# KiCad board GateMateA1-EVB_Rev_B.kicad_pcb (continued)
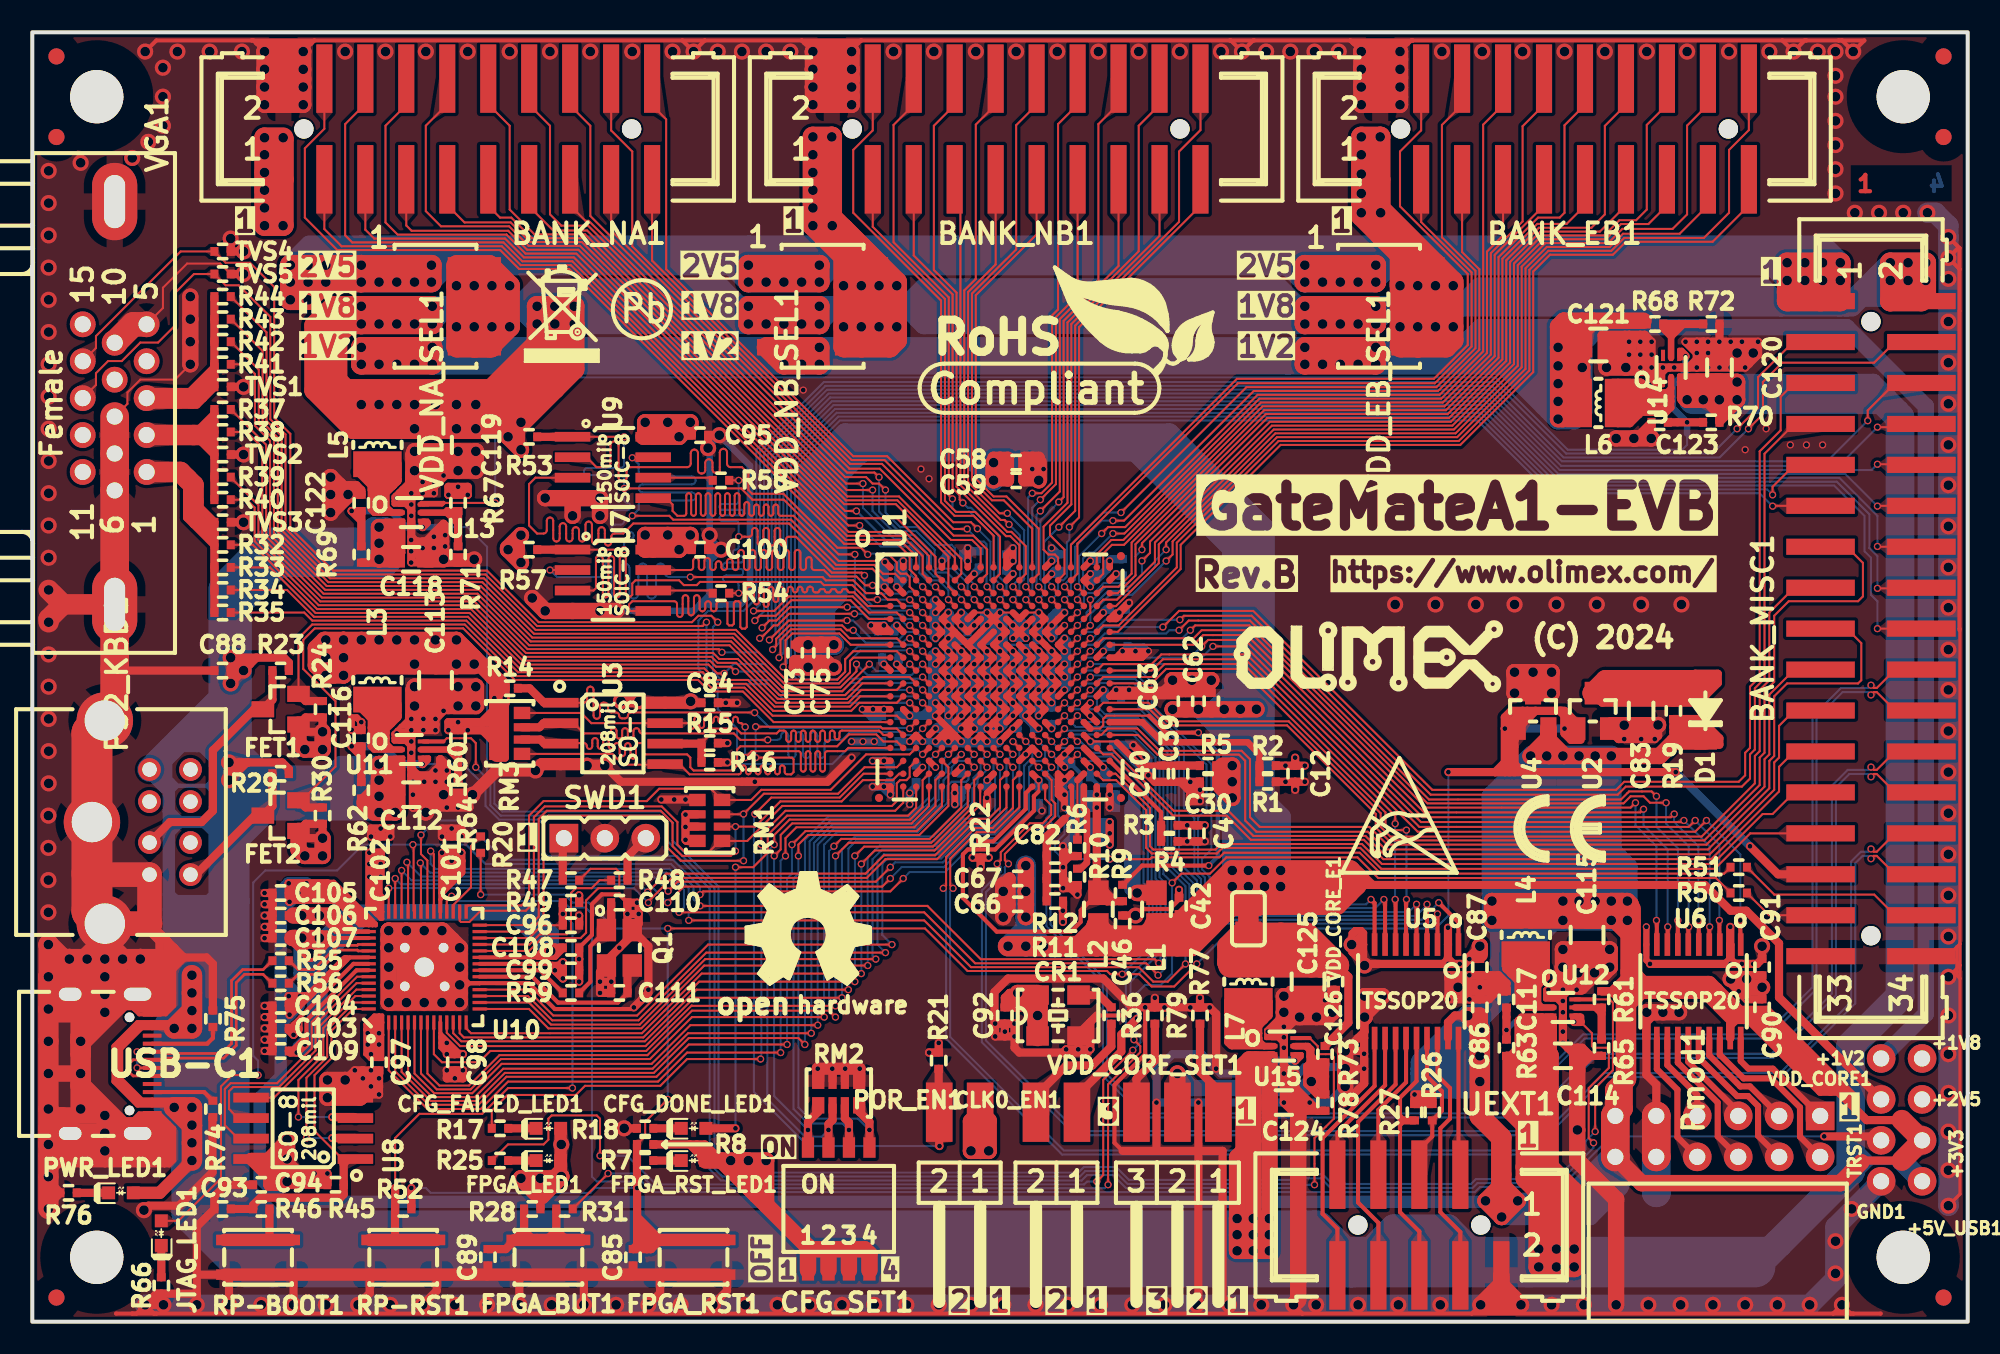
[diagram p0: board, top side]
## Routing (per net, layer and track width the routed paths; a pad name or vN(x,y) marks a point on that pad's centre or on a via; arc(x,y) is an arc through that point) (continued)
  Bottom w0.127: v1(68.8,47.2) 68.8,46.38 68.02,45.6 66.56,45.6 65.76,44.8 v1(65.6,44.8)
/EB_A4: length 45.8
  Top w0.127: U1.C18 67.3,45.2 68.4,46.3 68.4,48.24 76.47,56.31 87.75,56.31 91.15,59.71 91.15,65.95 93.31,68.11 95.13,68.11 96.27,69.25 BANK_EB1.11
/EB_A5: length 43.4
  Top w0.127: U1.B17 66.4,46.4 66.4,47.66 66.94,48.2 67.69,48.2 76.27,56.79 87.55,56.79 90.67,59.91 90.67,66.19 93.73,69.25 BANK_EB1.9
/EB_A6: length 44.8
  Top w0.127: U1.D16 v1(64.8,44.8) ; v1(67,48.9) 67.71,48.9 76.08,57.27 87.35,57.27 90.19,60.11 90.19,66.39 91.19,67.39 BANK_EB1.7
  Bottom w0.127: v1(67,48.9) 65.84,47.74 65.53,47.74 65.15,47.36 65.15,46.12 65.2,46.07 65.2,45.35 64.8,44.95 v1(64.8,44.8)
/EB_A7: length 45.2
  Top w0.127: U1.D15 v1(64,44.8) ; BANK_EB1.5 88.65,66.36 89.72,65.3 89.72,60.3 87.16,57.74 75.73,57.74 67.69,49.7 v1(67,49.7)
  Bottom w0.127: v1(64,44.8) 64.4,45.2 64.4,45.8 64.66,46.06 64.66,48.06 66.3,49.7 v1(67,49.7)
/EB_A8: length 43.6
  Top w0.127: BANK_EB1.3 86.11,68.23 89.24,65.1 89.24,60.5 86.96,58.22 74.75,58.22 64.8,48.27 64.8,46.4 U1.B15
/EB_B0: length 63.4
  Top w0.127: U1.F17 66.4,43.2 67.36,43.2 70.96,46.8 70.96,48.33 77.27,54.64 88.44,54.64 92.82,59.02 92.82,65.26 94,66.44 97.9,66.44 98.7,67.24 103.64,67.24 105.2,68.8 105.2,72.7 106.43,73.93 BANK_EB1.20
/EB_B1: length 62.2
  Top w0.127: U1.F15 v1(64.8,43.2) ; v1(70.3,47.9) 70.3,48.34 77.07,55.12 88.24,55.12 92.34,59.22 92.34,65.46 93.8,66.92 97.7,66.92 98.59,67.8 101.7,67.8 102.6,68.7 102.6,74.21 103.89,75.5 BANK_EB1.18
  Bottom w0.127: v1(70.3,47.9) 69.6,47.2 69.6,46.84 68.1,45.34 66.7,45.34 65.77,44.4 65.76,44.4 65.36,44 65.36,43.76 v1(64.8,43.2)
/EB_B2: length 57.3
  Top w0.127: BANK_EB1.16 101.35,75.5 100.1,74.25 100.1,69 99.44,68.34 98.4,68.34 97.46,67.39 93.61,67.39 91.87,65.65 91.87,59.41 88.05,55.59 76.86,55.59 69.61,48.34 69.61,47.16 67.25,44.8 66.4,44.8 U1.D17
/EB_B3: length 57.4
  Top w0.127: BANK_EB1.14 98.81,75.5 97.5,74.19 97.5,68.7 96.67,67.87 93.41,67.87 91.39,65.85 91.39,59.61 87.85,56.07 76.57,56.07 68.8,48.3 v1(68.8,47.9) ; U1.E15 v1(64.8,44)
  Bottom w0.127: v1(64.8,44) 65.2,44.4 65.2,45 65.4,45.2 65.8,45.2 66.44,45.84 67.93,45.84 68.4,46.31 68.4,47.5 v1(68.8,47.9)
/EB_B4: length 52.4
  Top w0.127: U1.C17 66.4,45.6 67.35,45.6 68.16,46.41 68.16,48.34 76.37,56.55 87.65,56.55 90.91,59.81 90.91,66.05 93.36,68.5 94.7,68.5 95,68.8 95,74.23 96.27,75.5 BANK_EB1.12
/EB_B5: length 48.9
  Top w0.127: U1.A17 66,47.6 66.9,48.5 67.65,48.5 76.18,57.03 87.45,57.03 90.43,60.01 90.43,66.29 92.4,68.26 92.4,74.17 93.73,75.5 BANK_EB1.10
/EB_B6: length 50.3
  Top w0.127: v1(64.8,45.6) U1.C16 ; v1(66.3,48.9) 66.7,49.3 67.76,49.3 75.97,57.5 87.25,57.5 89.96,60.2 89.96,74.27 91.19,75.5 BANK_EB1.8
  Bottom w0.127: v1(64.8,45.6) 64.9,45.7 64.9,47.5 v1(66.3,48.9)
/EB_B7: length 51.6
  Top w0.127: BANK_EB1.6 88.65,75.5 87.4,74.25 87.4,67.28 89.48,65.2 89.48,60.4 87.06,57.98 75.28,57.98 v1(67.5,50.2) ; U1.C15 v1(64,45.6)
  Bottom w0.127: v1(67.5,50.2) 66.4,50.2 64.39,48.19 64.39,46.13 64,45.74 v1(64,45.6)
/EB_B8: length 50
  Top w0.127: BANK_EB1.4 86.11,73.91 84.8,72.6 84.8,69.2 89,65 89,60.6 86.9,58.5 74.69,58.5 64.4,48.21 U1.A15
/FPGA_BUT: length 68.8
  Top w0.127: R31.2 35.7,9.19 v1(35.7,9.2) ; v1(66.7,8.5) 66.7,14.73 68.7,16.73 68.7,17.1 v1(68.3,17.5) ; v1(63.2,36) U1.P13
  Bottom w0.127: v1(68.3,17.5) 67.8,18 67.8,21.2 69.47,22.87 69.47,26.98 69.16,27.29 69.16,32.9 67,35.06 65.59,35.06 65.06,35.6 63.6,35.6 v1(63.2,36) ; v1(66.7,8.5) 66.48,8.28 38.55,8.28 37.64,9.2 v1(35.7,9.2)
/FPGA_LED: length 75.5
  Top w0.127: v1(68.23,16.85) 66.4,15.02 66.4,9.1 v1(66,8.7) ; R25.2 29.49,11 31.7,11 32,11.3 32,12.6 32.2,12.8 35,12.8 35.2,12.6 v1(35.2,10.3) ; v1(64.8,36) U1.P15
  Bottom w0.127: v1(35.2,10.3) 36.89,10.3 38.67,8.52 65.22,8.52 65.4,8.7 v1(66,8.7) ; v1(64.8,36) 64.99,36 65.69,35.3 67.1,35.3 69.4,33 69.4,27.39 69.72,27.07 69.72,22.72 68.1,21.1 68.1,18.3 68.7,17.7 68.7,17.32 v1(68.23,16.85)
/FPGA_RESET_IN: length 201.8
  Top w0.127: R20.1 v1(27.8,26.5) ; v1(39.4,13.8) 38,12.4 38,11.51 R8.1 ; U1.T15 v1(64.8,35.2) ; v1(39.4,24.4) 55.35,24.4 57.99,21.76 66.64,21.76 66.84,21.56 v1(67.58,21.56) 68.64,21.56 69.4,20.8 70.8,20.8 v1(72.2,22.2)
  Top w0.508: 92.7,37.9 93.2,37.9 ; 92.7,37.9 92.1,37.3 U4.1 ; 92.7,37.9 92.4,37.9 ; 93.2,37.9 94.7,37.9 ; 93.2,37.9 U4.1 ; 38.36,4.51 C85.2 37.5,4.76 37.5,5.1 ; 38.36,4.51 FPGA_RST1.1 ; 38.36,4.51 38.09,4.51 ; 37.5,6.5 37.5,6.1 ; 37.5,6.5 FPGA_RST1.1 ; 37.5,6.5 v1(37.5,8.3) 37.49,8.31 R7.2 R8.1 ; 37.5,6.1 37.5,5.7 ; 37.5,6.1 38.53,5.08 FPGA_RST1.1 ; 38.09,4.51 38.66,5.08 FPGA_RST1.1 ; 38.09,4.51 37.5,5.1 ; FPGA_RST1.1 38.12,5.08 37.5,5.7 ; 91.55,36.55 91.9,36.2 91.9,36.1 ; 91.55,36.55 91.55,34.15 91.6,34.1 ; 91.55,36.55 v1(91.3,36.8) ; v1(91.3,36.8) 92.4,37.9 ; v1(91.3,36.8) 91.3,37.5 91.7,37.9 92.4,37.9 ; v1(91.3,36.8) 91.3,34.7 ; v1(91.3,36.8) U4.1 ; v1(95,36.8) 95.3,37.1 95.3,37.6 ; v1(95,36.8) 95,36.5 95.4,36.1 96,36.1 ; v1(95,36.8) 95,37.6 94.7,37.9 ; v1(95,36.8) U2.1 95.8,37.1 95.3,37.6 ; v1(95,36.8) 95,37.73 94.83,37.9 94.7,37.9 ; 91.9,34.6 91.9,34.1 ; 91.9,34.6 91.9,36.1 ; 91.9,34.6 92.4,34.1 92.5,34.1 ; 91.3,34.7 91.3,34.1 ; 91.3,34.7 90.7,34.1 ; 94.7,37.9 95,37.9 95.3,37.6 ; 91.3,34.1 91.6,34.1 ; 91.3,34.1 90.7,34.1 ; 91.6,34.1 92.1,34.1 ; U4.1 91.9,36.6 91.9,36.1 ; R52.2 23.51,8.31 ; 92.5,34.1 v1(101.9,34.1) ; 92.5,34.1 90.7,34.1 ; 90.7,34.1 v1(87.8,34.1) ; 37.5,5.1 37.5,5.7 ; BANK_MISC1.29 108.24,27.76 v1(106.5,29.5)
  Top w0.762: FPGA_RST1.1 FPGA_RST1.1
  Bottom w0.127: v1(27.8,26.5) 33,26.5 33.5,26 34.5,26 36.1,24.4 v1(39.4,24.4) v1(39.4,13.8) ; v1(72.2,22.2) 74.4,24.4 87,24.4 87.8,25.2 v1(87.8,34.1) ; v1(37.5,8.3) 34.9,8.3 34.6,8 24.7,8 24.4,8.3 v1(23.5,8.3) ; v1(67.58,21.56) 69.23,23.22 69.23,26.88 68.9,27.21 68.9,32.8 66.9,34.8 65.2,34.8 v1(64.8,35.2)
  Bottom w0.508: v1(106.5,29.5) v1(101.9,34.1) ; v1(91.3,36.8) v1(95,36.8)
/FPGA_SPI_CLK: length 27
  Top w0.127: 41.46,35.86 R15.1 42.09,36.5 43.5,36.5 43.9,36.1 v1(45.6,36.1) ; U1.N4 v1(55.2,36.8)
  Top w0.508: U3.6 41.46,35.86 ; R16.1 R15.1
  Bottom w0.127: v1(55.2,36.8) 54.8,36.4 54.15,36.4 53.95,36.6 50.7,36.6 50.2,36.1 49.35,36.1 arc(49.19,36.03) 49.12,35.88 49.12,35.19 arc(49.06,35.03) 48.9,34.97 arc(48.74,35.03) 48.68,35.19 48.68,36.36 arc(48.61,36.52) 48.45,36.58 arc(48.29,36.52) 48.22,36.36 48.22,35.19 arc(48.16,35.03) 48,34.97 arc(47.84,35.03) 47.78,35.19 47.78,36.36 arc(47.71,36.52) 47.55,36.58 arc(47.39,36.52) 47.32,36.36 47.32,35.19 arc(47.26,35.03) 47.1,34.97 arc(46.94,35.03) 46.88,35.19 46.88,36.36 arc(46.81,36.52) 46.65,36.58 arc(46.49,36.52) 46.43,36.36 46.43,36.33 arc(46.36,36.17) 46.2,36.1 v1(45.6,36.1)
/FPGA_SPI_CSN: length 30
  Top w0.127: U3.1 34.2,38.41 arc(34.34,38.46) 34.4,38.61 34.4,39.2 arc(34.46,39.35) 34.6,39.41 arc(34.74,39.35) 34.8,39.2 34.8,37.61 arc(34.86,37.46) 35,37.41 arc(35.14,37.46) 35.2,37.61 35.2,38.2 arc(35.26,38.35) 35.4,38.41 35.5,38.4 arc(35.64,38.35) 35.7,38.2 35.7,38 arc(35.76,37.86) 35.9,37.8 36.2,37.8 arc(36.33,37.75) 36.38,37.62 arc(36.44,37.49) 36.57,37.43 36.75,37.43 arc(36.88,37.49) 36.93,37.62 arc(36.99,37.75) 37.12,37.8 44.77,37.8 v1(44.79,37.79) ; U1.N3 v1(54.4,36.8)
  Top w0.508: U3.1 31.73,38.41 30.83,39.3 R14.1
  Bottom w0.127: v1(44.79,37.79) 45.74,36.84 54.36,36.84 v1(54.4,36.8)
/FPGA_SPI_D0: length 36.2
  Top w0.127: v1(44.85,36.92) 52.6,36.92 52.71,36.8 53.6,36.8 U1.P2 ; v1(44.85,35) 47.1,35 47.2,34.9 47.2,34.1 47.06,33.96 46.8,33.96 arc(46.69,34.01) 46.65,34.11 46.65,34.37 arc(46.61,34.47) 46.5,34.52 arc(46.39,34.47) 46.35,34.37 46.35,34.11 arc(46.31,34.01) 46.2,33.96 arc(46.09,34.01) 46.05,34.11 46.05,34.37 arc(46.01,34.47) 45.9,34.52 arc(45.79,34.47) 45.75,34.37 45.75,34.11 arc(45.71,34.01) 45.6,33.96 arc(45.49,34.01) 45.45,34.11 45.45,34.37 arc(45.41,34.47) 45.3,34.52 arc(45.19,34.47) 45.15,34.37 45.15,34.11 arc(45.11,34.01) 45,33.96 arc(44.89,34.01) 44.85,34.11 44.85,34.37 arc(44.81,34.47) 44.7,34.52 arc(44.59,34.47) 44.55,34.37 44.55,34.11 arc(44.51,34.01) 44.4,33.96 arc(44.29,34.01) 44.25,34.11 44.25,34.37 arc(44.21,34.47) 44.1,34.52 arc(43.99,34.47) 43.95,34.37 43.95,34.11 arc(43.91,34.01) 43.8,33.96 40.75,33.96 40.12,34.59 U3.5 39.2,34.56 36.64,34.56 35.97,35.23 RM3.1.1
  Bottom w0.127: v1(44.85,36.92) v1(44.85,35)
/FPGA_SPI_D1: length 32.6
  Top w0.127: U1.P1 52.78,36.4 52.5,36.68 50.2,36.68 arc(50.09,36.63) 50.05,36.53 50.05,36.28 arc(50.01,36.17) 49.9,36.13 arc(49.79,36.17) 49.75,36.28 49.75,36.53 arc(49.71,36.63) 49.6,36.68 arc(49.49,36.63) 49.45,36.53 49.45,36.13 arc(49.41,36.02) 49.3,35.98 arc(49.19,36.02) 49.15,36.13 49.15,36.53 arc(49.11,36.63) 49,36.68 arc(48.89,36.63) 48.85,36.53 48.85,36.13 arc(48.81,36.02) 48.7,35.98 arc(48.59,36.02) 48.55,36.13 48.55,36.53 arc(48.51,36.63) 48.4,36.68 arc(48.29,36.63) 48.25,36.53 48.25,36.13 arc(48.21,36.02) 48.1,35.98 arc(47.99,36.02) 47.95,36.13 47.95,36.53 arc(47.91,36.63) 47.8,36.68 arc(47.69,36.63) 47.65,36.53 47.65,36.13 arc(47.61,36.02) 47.5,35.98 arc(47.39,36.02) 47.35,36.13 47.35,36.53 arc(47.31,36.63) 47.2,36.68 arc(47.09,36.63) 47.05,36.53 47.05,36.13 arc(47.01,36.02) 46.9,35.98 arc(46.79,36.02) 46.75,36.13 46.75,36.53 arc(46.71,36.63) 46.6,36.68 46.33,36.68 46.15,36.5 43.95,36.5 43.65,36.8 41.9,36.8 41.6,36.5 37.8,36.5 arc(37.69,36.55) 37.64,36.66 arc(37.59,36.77) 37.48,36.82 37.43,36.82 arc(37.32,36.77) 37.28,36.66 37.28,36.34 arc(37.23,36.22) 37.11,36.18 37.09,36.18 arc(36.97,36.22) 36.93,36.34 36.93,36.66 arc(36.88,36.78) 36.76,36.82 36.74,36.82 arc(36.62,36.78) 36.57,36.66 36.57,36.34 arc(36.53,36.22) 36.41,36.18 36.39,36.18 arc(36.27,36.22) 36.22,36.34 36.22,36.66 arc(36.18,36.77) 36.07,36.82 36.03,36.82 arc(35.92,36.77) 35.88,36.66 arc(35.83,36.55) 35.72,36.5 34.2,36.5 33.56,37.14 U3.2
  Top w0.508: RM3.3.1 31.45,36.88 31.7,37.14 U3.2
/FPGA_SPI_D2: length 32.5
  Top w0.127: U3.3 32.8,35.9 34.21,35.9 arc(34.33,35.85) 34.38,35.73 34.38,35.7 arc(34.43,35.58) 34.55,35.54 arc(34.67,35.58) 34.72,35.7 34.72,36.05 arc(34.77,36.16) 34.87,36.21 34.91,36.21 arc(35.01,36.16) 35.06,36.05 35.06,35.7 arc(35.11,35.58) 35.23,35.54 arc(35.35,35.58) 35.4,35.7 35.4,36.05 arc(35.44,36.16) 35.55,36.21 35.58,36.21 arc(35.69,36.16) 35.74,36.05 35.74,35.7 arc(35.79,35.58) 35.91,35.54 arc(36.03,35.58) 36.08,35.7 36.08,35.73 arc(36.13,35.85) 36.24,35.9 arc(36.36,35.85) 36.41,35.73 36.41,35.25 arc(36.46,35.13) 36.58,35.09 arc(36.7,35.13) 36.75,35.25 36.75,35.73 arc(36.8,35.85) 36.92,35.9 arc(37.04,35.85) 37.09,35.73 37.09,35.1 arc(37.14,34.98) 37.26,34.94 arc(37.38,34.98) 37.43,35.1 37.43,35.73 arc(37.48,35.85) 37.6,35.9 37.8,35.9 37.9,35.8 37.9,35.3 38,35.2 40.6,35.2 40.8,35 40.8,34.4 41,34.2 43.4,34.2 43.7,34.5 43.7,35.5 43.9,35.7 49.9,35.7 50.64,36.44 52.33,36.44 52.77,36 53.6,36 U1.R2
  Top w0.508: U3.3 31.75,35.86 31.5,36.12 RM3.2.1
/FPGA_SPI_D3: length 36.1
  Top w0.127: U1.R1 50.6,35.6 50.4,35.4 49.3,35.4 arc(49.19,35.36) 49.15,35.25 49.15,34.28 arc(49.11,34.17) 49,34.13 arc(48.89,34.17) 48.85,34.28 48.85,35.25 arc(48.81,35.36) 48.7,35.4 arc(48.59,35.36) 48.55,35.25 48.55,34.28 arc(48.51,34.17) 48.4,34.13 arc(48.29,34.17) 48.25,34.28 48.25,35.25 arc(48.21,35.36) 48.1,35.4 arc(47.99,35.36) 47.95,35.25 47.95,34.28 arc(47.91,34.17) 47.8,34.13 arc(47.69,34.17) 47.65,34.28 47.65,35.25 arc(47.61,35.36) 47.5,35.4 44.6,35.4 v1(44.2,35) ; RM3.4.1 34.03,37.77 34.66,37.14 U3.7 40.6,37.14 arc(40.71,37.09) 40.75,36.98 40.75,36.94 arc(40.79,36.83) 40.9,36.78 arc(41.01,36.83) 41.05,36.94 41.05,37.39 arc(41.09,37.49) 41.2,37.53 arc(41.31,37.49) 41.35,37.39 41.35,36.98 arc(41.39,36.88) 41.5,36.83 arc(41.61,36.88) 41.65,36.98 41.65,37.39 arc(41.69,37.49) 41.8,37.53 arc(41.91,37.49) 41.95,37.39 41.95,37.28 arc(41.99,37.18) 42.1,37.14 arc(42.21,37.18) 42.25,37.28 42.25,37.39 arc(42.29,37.49) 42.4,37.53 arc(42.51,37.49) 42.55,37.39 42.55,37.28 arc(42.59,37.18) 42.7,37.14 arc(42.81,37.18) 42.85,37.28 42.85,37.39 arc(42.89,37.49) 43,37.53 arc(43.11,37.49) 43.15,37.39 43.15,37.28 arc(43.19,37.18) 43.3,37.14 arc(43.41,37.18) 43.45,37.28 43.45,37.39 arc(43.49,37.49) 43.6,37.53 arc(43.71,37.49) 43.75,37.39 43.75,37.28 arc(43.79,37.18) 43.9,37.14 43.97,37.14 v1(44.2,36.9)
  Bottom w0.127: v1(44.2,36.9) v1(44.2,35)
/FPGA_SPI_FWD: length 109.2
  Top w0.127: BANK_MISC1.3 109.18,60.78 107,58.6 107,56.7 v1(105.7,55.4)
  Top w0.254: U1.R4 v1(55.2,35.2)
  Bottom w0.127: v1(55.2,35.2) 54.9,35.5 50.5,35.5 49.6,34.6 44,34.6 43.7,34.9 43.7,36.8 42.5,38 42.5,39.3 41.3,40.5 41.3,43.5 41.9,44.1 44.1,44.1 44.89,44.89 44.89,54.11 49.08,58.3 90.66,58.3 95.1,53.86 104.16,53.86 v1(105.7,55.4)
/GPIO0: length 55.4
  Top w0.127: U10.2 22.1,15.6 24.5,13.2 27.8,13.2 29.5,14.9 38.8,14.9 40.6,16.7 v1(46.4,16.7) ; U1.U5 56,33.6 56,32 54.68,30.68 47.38,30.68 46.7,30 v1(46.7,28.9)
  Bottom w0.127: v1(46.7,28.9) 46.4,28.6 v1(46.4,16.7)
/GPIO1: length 53.8
  Top w0.127: v1(46.8,17.2) 40.7,17.2 38.7,15.2 29.4,15.2 27.66,13.46 24.58,13.46 22.5,15.54 U10.3 ; U1.V5 56.4,32 54.84,30.44 47.94,30.44 v1(47.1,29.6)
  Bottom w0.127: v1(46.8,17.2) 46.8,27.5 47.1,27.8 v1(47.1,29.6)
/GPIO2: length 55.8
  Top w0.127: v1(56.8,35.2) U1.R6 ; v1(47.9,17.2) 47.5,17.6 40.7,17.6 38.54,15.44 29.3,15.44 27.56,13.7 24.7,13.7 22.9,15.5 U10.4
  Bottom w0.127: v1(47.9,17.2) 47.9,27.4 48.2,27.7 48.2,29.8 49.5,31.1 54.5,31.1 55.96,32.56 55.96,33.74 56.4,34.18 56.4,34.8 v1(56.8,35.2)
/GPIO3: length 55.1
  Top w0.127: U1.T6 v1(57.6,35.2) ; U10.5 23.3,15.44 24.8,13.94 27.44,13.94 29.2,15.7 38.46,15.7 40.66,17.9 v1(48.3,17.9)
  Bottom w0.127: v1(48.3,17.9) 48.3,27.4 48.46,27.56 48.46,29.7 49.6,30.84 54.64,30.84 56.2,32.4 56.2,33.64 56.66,34.1 56.66,34.41 57.45,35.2 v1(57.6,35.2)
/GPIO4: length 55.1
  Top w0.127: v1(48.7,18.4) 40.8,18.4 38.4,16 29.1,16 27.28,14.18 24.92,14.18 23.7,15.4 U10.6 ; U1.R7 v1(58.4,35.2)
  Bottom w0.127: v1(48.7,18.4) 48.7,29.6 49.7,30.6 54.8,30.6 56.5,32.3 56.5,33.6 57,34.1 57,34.4 57.4,34.8 58,34.8 v1(58.4,35.2)
/GPIO5: length 53.8
  Top w0.127: v1(49.1,18.9) 40.9,18.9 38.3,16.3 29.06,16.3 27.18,14.42 25.08,14.42 24.1,15.4 U10.7 ; U1.T7 v1(58.4,34.4)
  Bottom w0.127: v1(49.1,18.9) 49.1,29.6 49.86,30.36 54.9,30.36 56.74,32.2 56.74,33.24 57,33.5 57.9,33.5 58.05,33.65 58.05,34.05 v1(58.4,34.4)
/GPIO6: length 52.9
  Top w0.127: v1(49.7,29.5) 50.16,29.96 55.64,29.96 57.6,31.91 57.6,33.6 U1.U7 ; v1(49.8,18.9) 49.4,19.3 40.9,19.3 38.14,16.54 28.96,16.54 27.08,14.66 25.24,14.66 24.5,15.4 U10.8
  Bottom w0.127: v1(49.7,29.5) 49.4,29.2 49.4,19.3 v1(49.8,18.9)
/GPIO7: length 48.5
  Top w0.127: v1(49.8,19.6) 40.9,19.6 40.88,19.62 38.06,16.8 28.4,16.8 27.7,16.1 25.4,16.1 24.9,16.6 U10.9 ; U1.V7 58,31.98 55.74,29.72 50.62,29.72 v1(49.8,28.9)
  Bottom w0.127: v1(49.8,28.9) v1(49.8,19.6)
/GPIO8: length 49
  Top w0.127: U1.R8 v1(59.2,35.2) ; v1(50.2,20.1) 41.02,20.1 38.02,17.1 26.53,17.1 25.7,17.93 U10.11
  Bottom w0.127: v1(50.2,20.1) 50.2,29.3 51,30.1 55.86,30.1 58.06,32.3 58.06,33.2 58.36,33.5 58.36,33.75 58.8,34.19 58.8,34.8 v1(59.2,35.2)
/GPIO9: length 47.5
  Top w0.127: v1(50.6,20.6) 41.2,20.6 41.19,20.61 37.99,17.4 26.6,17.4 26.1,17.9 U10.12 ; U1.T8 v1(59.2,34.4)
  Bottom w0.127: v1(50.6,20.6) 50.6,29.35 51.05,29.8 55.9,29.8 58.3,32.2 58.3,33.1 58.6,33.4 58.6,33.65 59.2,34.25 v1(59.2,34.4)
/GPIO10: length 45.3
  Top w0.127: U1.U8 58.4,33.6 58.4,32.04 55.84,29.48 51.58,29.48 v1(51,28.9) ; U10.13 26.5,17.9 26.76,17.64 37.89,17.64 41.35,21.1 v1(51,21.1)
  Bottom w0.127: v1(51,28.9) v1(51,21.1)
/GPIO11: length 43.4
  Top w0.127: v1(51.4,21.6) 41.5,21.6 37.8,17.9 27.2,17.9 26.9,18.2 U10.14 ; v1(51.4,28.4) 52.24,29.24 55.94,29.24 58.77,32.07 58.77,33.17 U1.V8
  Bottom w0.127: v1(51.4,28.4) v1(51.4,21.6)
/GPIO12\DBG-UART_TX: length 46.3
  Top w0.127: U1.R9 v1(60,35.2) ; v1(51.8,22.1) 41.66,22.1 37.76,18.2 32,18.2 30.79,19.41 U10.15
  Bottom w0.127: v1(51.8,22.1) 51.8,28.8 52.54,29.54 56.04,29.54 57.72,31.22 59.3,31.22 59.7,31.61 59.7,33.9 59.6,34 59.6,34.8 v1(60,35.2)
/GPIO13\DBG-UART_RX: length 45.6
  Top w0.127: U1.T9 v1(60,34.4) ; v1(52.3,22.5) 41.72,22.5 37.66,18.44 32.16,18.44 30.79,19.81 U10.16
  Bottom w0.127: v1(60,34.4) 60,31.58 59.4,30.98 57.84,30.98 56.16,29.3 52.7,29.3 52.1,28.7 52.1,22.7 v1(52.3,22.5)
/GPIO14: length 47
  Top w0.127: U10.17 30.73,20.21 32.24,18.7 37.59,18.7 41.79,22.9 v1(52.9,22.9) ; U1.R10 v1(60.8,35.2)
  Bottom w0.127: v1(52.9,22.9) 52.4,23.4 52.4,28.6 52.8,29 56.2,29 57.94,30.74 59.5,30.74 60.4,31.64 60.4,34.8 v1(60.8,35.2)
/GPIO15: length 46
  Top w0.127: U10.18 30.69,20.61 32.3,19 37.5,19 41.9,23.4 v1(53.3,23.4) ; U1.T10 v1(60.8,34.4)
  Bottom w0.127: v1(60.8,34.4) 60.8,31.7 59.6,30.5 58.1,30.5 56.34,28.74 53.04,28.74 52.7,28.4 52.7,24 v1(53.3,23.4)
/GPIO16\JTAG_TDI: length 40.4
  Top w0.127: v1(44.1,28.6) 40.2,28.6 39.4,29.4 39.4,30.9 38.9,31.4 32,31.4 31.7,31.1 31.7,25.1 30.81,24.21 U10.27 ; RM1.3.1 44.08,31.48 v1(44.1,31.5) 45.36,32.76 49.96,32.76 51.6,34.4 53.6,34.4 U1.T2
  Bottom w0.127: v1(44.1,28.6) v1(44.1,31.5)
/GPIO17\JTAG_TDO: length 38.6
  Top w0.127: RM1.2.1 44.82,30.72 46.38,32.28 50.18,32.28 51.5,33.6 53.35,33.6 53.75,34 U1.U2 ; U10.28 30.87,24.61 31.4,25.14 31.4,31.2 31.9,31.7 38.96,31.7 39.7,30.96 39.7,29.5 40.3,28.9 43.3,28.9 v1(43.6,29.2)
  Bottom w0.127: v1(43.6,30.72) v1(43.6,29.2)
/GPIO18\JTAG_TCK: length 35.8
  Top w0.127: U10.29 26.9,25.7 27.03,25.83 30.33,25.83 30.8,26.3 30.8,31.4 31.7,32.3 38.1,32.3 38.87,33.07 42.06,33.07 RM1.4.1 44.57,32.37 45.2,33 49.5,33 51.7,35.2 54.4,35.2 U1.R3
/GPIO19\JTAG_TMS: length 40.3
  Top w0.127: U10.30 26.5,24.88 26.58,24.8 27.1,24.8 27.8,25.5 30.6,25.5 31.1,26 31.1,31.3 31.77,31.97 39.03,31.97 40,31 40,29.6 40.4,29.2 42,29.2 42.63,29.83 RM1.1.1 44.33,29.83 46.5,32 53.3,32 53.6,32.3 53.6,33.4 53.8,33.6 54.2,33.6 54.4,33.8 54.4,34.4 U1.T3
/GPIO20\JTAG_RST: length 5.4
  Top w0.127: U10.31 26.1,25.85 27.2,26.95 27.2,29.51 R20.2
/GPIO21\JTAG_TRST: length 108.4
  Top w0.127: U10.32 25.7,26.1 v1(26,26.4)
  Top w0.508: v1(111.1,11.5) 114.38,11.5 TRST1.1
  Bottom w0.127: v1(26,26.4) 26.3,26.1 32.9,26.1 33.3,25.7 34.3,25.7 34.7,25.3 34.7,9 35,8.7 37.8,8.7 38.46,8.04 89.44,8.04 89.76,8.36 94.76,8.36 97.9,11.5 v1(111.1,11.5)
/GPIO22\GPIN1: length 76.7
  Top w0.127: v1(24.7,29.2) 24.9,29 U10.34 ; v1(40.7,24.9) 55.3,24.9 58.2,22 68.6,22 69.5,21.1 70.4,21.1 v1(71.5,22.2) ; U1.N15 v1(64.8,37.6)
  Bottom w0.127: v1(24.7,29.2) 24.7,28.4 25,28.1 39.5,28.1 40.7,26.9 v1(40.7,24.9) ; v1(64.8,37.6) 65.2,37.2 68.47,37.2 70.38,35.29 70.38,28.14 71.5,27.02 v1(71.5,22.2)
/GPIO23\CLK1: length 53.1
  Top w0.127: v1(24.1,30.2) 24.1,29.01 24.5,28.61 U10.35 ; v1(54,27.5) 53.2,26.7 41.6,26.7 v1(41.4,26.5) ; v1(62.4,36) U1.P12
  Bottom w0.127: v1(41.4,26.5) 41.4,27 39.74,28.66 29.24,28.66 26.8,31.1 25,31.1 v1(24.1,30.2) ; v1(62.4,36) 62.8,35.6 62.8,35 62.6,34.8 62.2,34.8 61.8,34.4 61.8,31.6 59.9,29.7 58.4,29.7 56.6,27.9 54.4,27.9 v1(54,27.5)
/GPIO24\CLK2: length 74
  Top w0.127: U10.36 24.1,28.43 v1(24.06,28.47) ; v1(40.1,25.4) 55.3,25.4 58.46,22.24 69.06,22.24 v1(69.8,21.5) ; U1.P14 v1(64,36.8)
  Bottom w0.127: v1(64,36.8) 64.13,36.67 68.33,36.67 69.88,35.12 69.88,27.58 70.26,27.2 70.26,21.96 v1(69.8,21.5) ; v1(40.1,25.4) 40.4,25.7 40.4,26.8 39.34,27.86 24.67,27.86 v1(24.06,28.47)
/GPIO25\JTAG_LED: length 109.9
  Top w0.127: U10.37 23.64,25.5 23.64,29.56 v1(23.6,29.6) ; v1(69.84,22.24) 69.6,22.49 58.81,22.49 55.5,25.8 v1(41.4,25.8) ; JTAG_LED1.2 9.06,6.26 11.7,8.9 11.7,14.6 12.4,15.3 v1(14,15.3) ; U1.R14 v1(64,36)
  Bottom w0.127: v1(69.84,22.24) 69.96,22.36 69.96,27.17 69.64,27.48 69.64,35.02 68.23,36.43 64.43,36.43 v1(64,36) ; v1(41.4,25.8) 41,26.2 41,27 39.6,28.4 28.1,28.4 26.9,29.6 v1(23.6,29.6) 20.5,29.6 18.9,28 14.45,28 13.7,27.25 13.7,16.5 14,16.2 v1(14,15.3)
/GPIO26: length 48.9
  Top w0.127: v1(53.2,28.2) 52.3,27.3 40.01,27.3 v1(39.42,26.72) ; v1(23.23,28.51) 23.3,28.44 U10.38 ; U1.R11 v1(60.8,36)
  Bottom w0.127: v1(53.2,28.2) 53.5,28.5 56.46,28.5 58.2,30.24 59.7,30.24 61.2,31.74 U1.R11 v1(60.8,36) ; v1(39.42,26.72) 38.52,27.62 24.11,27.62 v1(23.23,28.51)
/GPIO27: length 49.6
  Top w0.127: v1(53.2,27.5) 52.7,27 40.4,27 v1(39.4,26) ; U10.39 v1(22.9,28) ; U1.P11 v1(61.6,36)
  Bottom w0.127: v1(22.9,28) 23.52,27.38 38.02,27.38 v1(39.4,26) ; v1(61.6,36) 62,35.6 62,35 61.5,34.5 61.5,31.7 59.8,30 58.3,30 56.5,28.2 53.9,28.2 v1(53.2,27.5)
/GPIO28: length 44.3
  Top w0.127: U1.U10 60,33.6 60,31.9 59.3,31.2 58.24,31.2 55.98,28.94 52.8,28.94 51.66,27.8 39.3,27.8 v1(38.16,26.66) ; U10.40 v1(22.5,27.5)
  Bottom w0.127: v1(38.16,26.66) 37.67,27.14 22.86,27.14 v1(22.5,27.5)
/GPIO29: length 43.9
  Top w0.127: U10.41 v1(22.1,26.9) ; v1(38.2,26) 38.2,26.08 39.66,27.54 51.74,27.54 52.9,28.7 56.1,28.7 58.3,30.9 59.4,30.9 60.4,31.9 U1.V10
  Bottom w0.127: v1(38.2,26) 37.3,26.9 v1(22.1,26.9)
/IO0: length 11
  Top w0.127: U10.53 20.09,20.61 17.81,18.32 17.81,16.72 14.99,13.91 U8.5
/IO1: length 13.6
  Top w0.127: v1(17,11.4) 17,15.14 18.28,16.42 18.28,18.12 19.97,19.81 U10.55
  Top w0.508: v1(18.6,11.4) 20,11.4 U8.2
  Bottom w0.127: v1(18.6,11.4) v1(17,11.4)
/IO2: length 13.4
  Top w0.127: v1(16.5,12.7) 16.5,15 18.05,16.55 18.05,18.22 20.03,20.21 U10.54
  Top w0.508: U8.3 19.97,12.7 v1(18.6,12.7)
  Bottom w0.127: v1(18.6,12.7) v1(16.5,12.7)
/IO3: length 17
  Top w0.127: U10.51 20.13,21.41 17.33,18.6 17.33,16.95 15.18,14.8 12.3,14.8 11.94,14.44 11.94,12.19 12.77,11.36 U8.7
/NA_A0: length 48.9
  Top w0.127: BANK_NA1.3 18.11,67.79 19.18,66.72 29.11,66.72 30.29,65.55 33.39,65.55 50.44,48.5 53.8,48.5 54.8,47.5 U1.A3
/NA_A1: length 47.2
  Top w0.127: U1.A4 55.6,47.5 54.1,49 50.61,49 33.58,66.03 30.48,66.03 29.31,67.2 21.2,67.2 20.65,67.75 BANK_NA1.5
/NA_A2: length 45.8
  Top w0.127: BANK_NA1.7 23.19,68.01 23.52,67.68 29.5,67.68 29.51,67.68 30.68,66.51 33.86,66.51 50.51,49.85 53.61,49.85 56,47.46 56,46.4 U1.B5
/NA_A3: length 44.1
  Top w0.127: BANK_NA1.9 25.73,69.27 26.8,68.2 29.66,68.2 30.88,66.98 34.08,66.98 50.34,50.72 53.54,50.72 56.8,47.46 56.8,45.6 U1.C6
/NA_A4: length 40.2
  Top w0.127: U1.A6 57.2,47.4 53.64,50.96 50.44,50.96 34.18,67.22 30.98,67.22 29.7,68.5 29,68.5 28.27,69.23 BANK_NA1.11
/NA_A5: length 40.2
  Top w0.127: v1(52.1,51.6) 50.5,51.6 34.4,67.7 32.3,67.7 30.81,69.19 BANK_NA1.13 ; 58,45.2 57.6,45.6
  Top w0.254: U1.C7 58,45.2
  Bottom w0.127: v1(57.6,45.6) 56.72,46.48 55.98,46.48 55.72,46.75 55.72,47.8 54.7,48.82 53.58,48.82 52.1,50.3 v1(52.1,51.6)
/NA_A6: length 38.6
  Top w0.127: U1.C8 v1(58.4,45.6) ; v1(52.9,51.6) 52.5,52 52.1,52 51.7,52.4 50.4,52.4 34.5,68.3 34.3,68.3 33.35,69.25 BANK_NA1.15
  Bottom w0.127: v1(58.4,45.6) 58.4,45.75 57.2,46.95 57.2,48 57,48.2 55.99,48.2 54.89,49.29 53.81,49.29 52.9,50.2 v1(52.9,51.6)
/NA_A7: length 35.4
  Top w0.127: U1.A8 58.8,47.97 58.27,48.5 56.97,48.5 52.54,52.92 50.66,52.92 35.89,67.7 BANK_NA1.17
/NA_A8: length 36.3
  Top w0.127: v1(57.96,49.18) 57.12,49.18 52.84,53.46 50.8,53.46 38.43,65.83 BANK_NA1.19 ; U1.C9 v1(59.2,45.6)
  Bottom w0.127: v1(59.2,45.6) 59.16,45.64 59.16,48.24 59,48.4 58.75,48.4 v1(57.96,49.18)
/NA_B0: length 57
  Top w0.127: BANK_NA1.4 18.11,74.01 16.9,72.8 16.9,68.5 18.92,66.48 29.02,66.48 30.19,65.31 33.29,65.31 50.34,48.26 53.64,48.26 54.4,47.5 54.4,46.67 54.8,46.27 U1.B3
/NA_B1: length 56
  Top w0.127: BANK_NA1.6 20.65,75.55 19.4,74.3 19.4,67.4 19.84,66.96 29.21,66.96 30.38,65.79 33.49,65.79 50.51,48.76 53.94,48.76 55.2,47.5 55.2,46.4 U1.B4
/NA_B2: length 54.1
  Top w0.127: BANK_NA1.8 23.19,75.49 21.9,74.2 21.9,68.2 22.66,67.44 29.4,67.44 29.41,67.44 30.58,66.27 33.73,66.27 50.6,49.4 v1(51.3,49.4) ; 56.38,45.2 56,45.58
  Top w0.254: U1.C5 56.38,45.2
  Bottom w0.127: 56,45.58 55.87,45.58 55,46.45 55,47.5 54.4,48.1 52.6,48.1 v1(51.3,49.4)
  vias: v1(56,45.6)
/NA_B3: length 52.7
  Top w0.127: BANK_NA1.10 25.73,75.53 24.4,74.2 24.4,68.9 25.34,67.96 29.56,67.96 30.78,66.74 33.96,66.74 50.4,50.3 v1(51.1,50.3) ; U1.D6 v1(56.8,44.8)
  Bottom w0.127: v1(56.8,44.8) 56.8,45.39 56.19,46 55.79,46 55.24,46.55 55.24,47.6 54.5,48.34 53.06,48.34 v1(51.1,50.3)
/NA_B4: length 47.2
  Top w0.127: BANK_NA1.12 28.27,75.53 29.6,74.2 29.6,69 31.14,67.46 34.28,67.46 50.54,51.2 53.74,51.2 57.6,47.34 57.6,46.4 U1.B6
/NA_B5: length 46.5
  Top w0.127: U1.D7 v1(57.6,44.8) ; BANK_NA1.14 30.81,75.49 32.1,74.2 32.1,68.7 32.8,68 34.46,68 50.46,52 v1(51.5,52)
  Bottom w0.127: v1(51.5,52) 51.5,50.5 53.42,48.58 54.6,48.58 55.48,47.7 55.48,46.65 55.89,46.24 56.29,46.24 57.6,44.92 v1(57.6,44.8)
/NA_B6: length 45.5
  Top w0.127: BANK_NA1.16 33.35,75.45 34.6,74.2 34.6,68.6 50.52,52.68 52.22,52.68 v1(52.5,52.4) ; U1.D8 v1(58.4,44.8)
  Bottom w0.127: v1(58.4,44.8) 58,45.2 58,45.8 57.08,46.72 56.08,46.72 55.96,46.84 55.96,47.9 54.8,49.06 53.71,49.06 52.5,50.26 v1(52.5,52.4)
/NA_B7: length 42.8
  Top w0.127: BANK_NA1.18 35.89,73.91 37.2,72.6 37.2,66.72 50.7,53.22 52.68,53.22 57.13,48.77 58.34,48.77 59.2,47.91 59.2,46.4 U1.B8
/NA_B8: length 43.7
  Top w0.127: v1(58.6,49.2) 58.2,49.6 57.1,49.6 53,53.7 50.9,53.7 39.3,65.3 39.3,74.6 38.43,75.47 BANK_NA1.20 ; U1.D9 v1(59.2,44.8)
  Bottom w0.127: v1(58.6,49.2) 59.4,48.4 59.4,46 59.6,45.8 59.6,45.2 v1(59.2,44.8)
/NB_A0: length 29
  Top w0.127: BANK_NB1.3 52.11,67.93 56.58,63.45 56.58,50.93 57.28,50.24 58.46,50.24 60,48.7 60,46.4 U1.B9
